# KiCad board AmigaPCI 68040.kicad_pcb (continued)
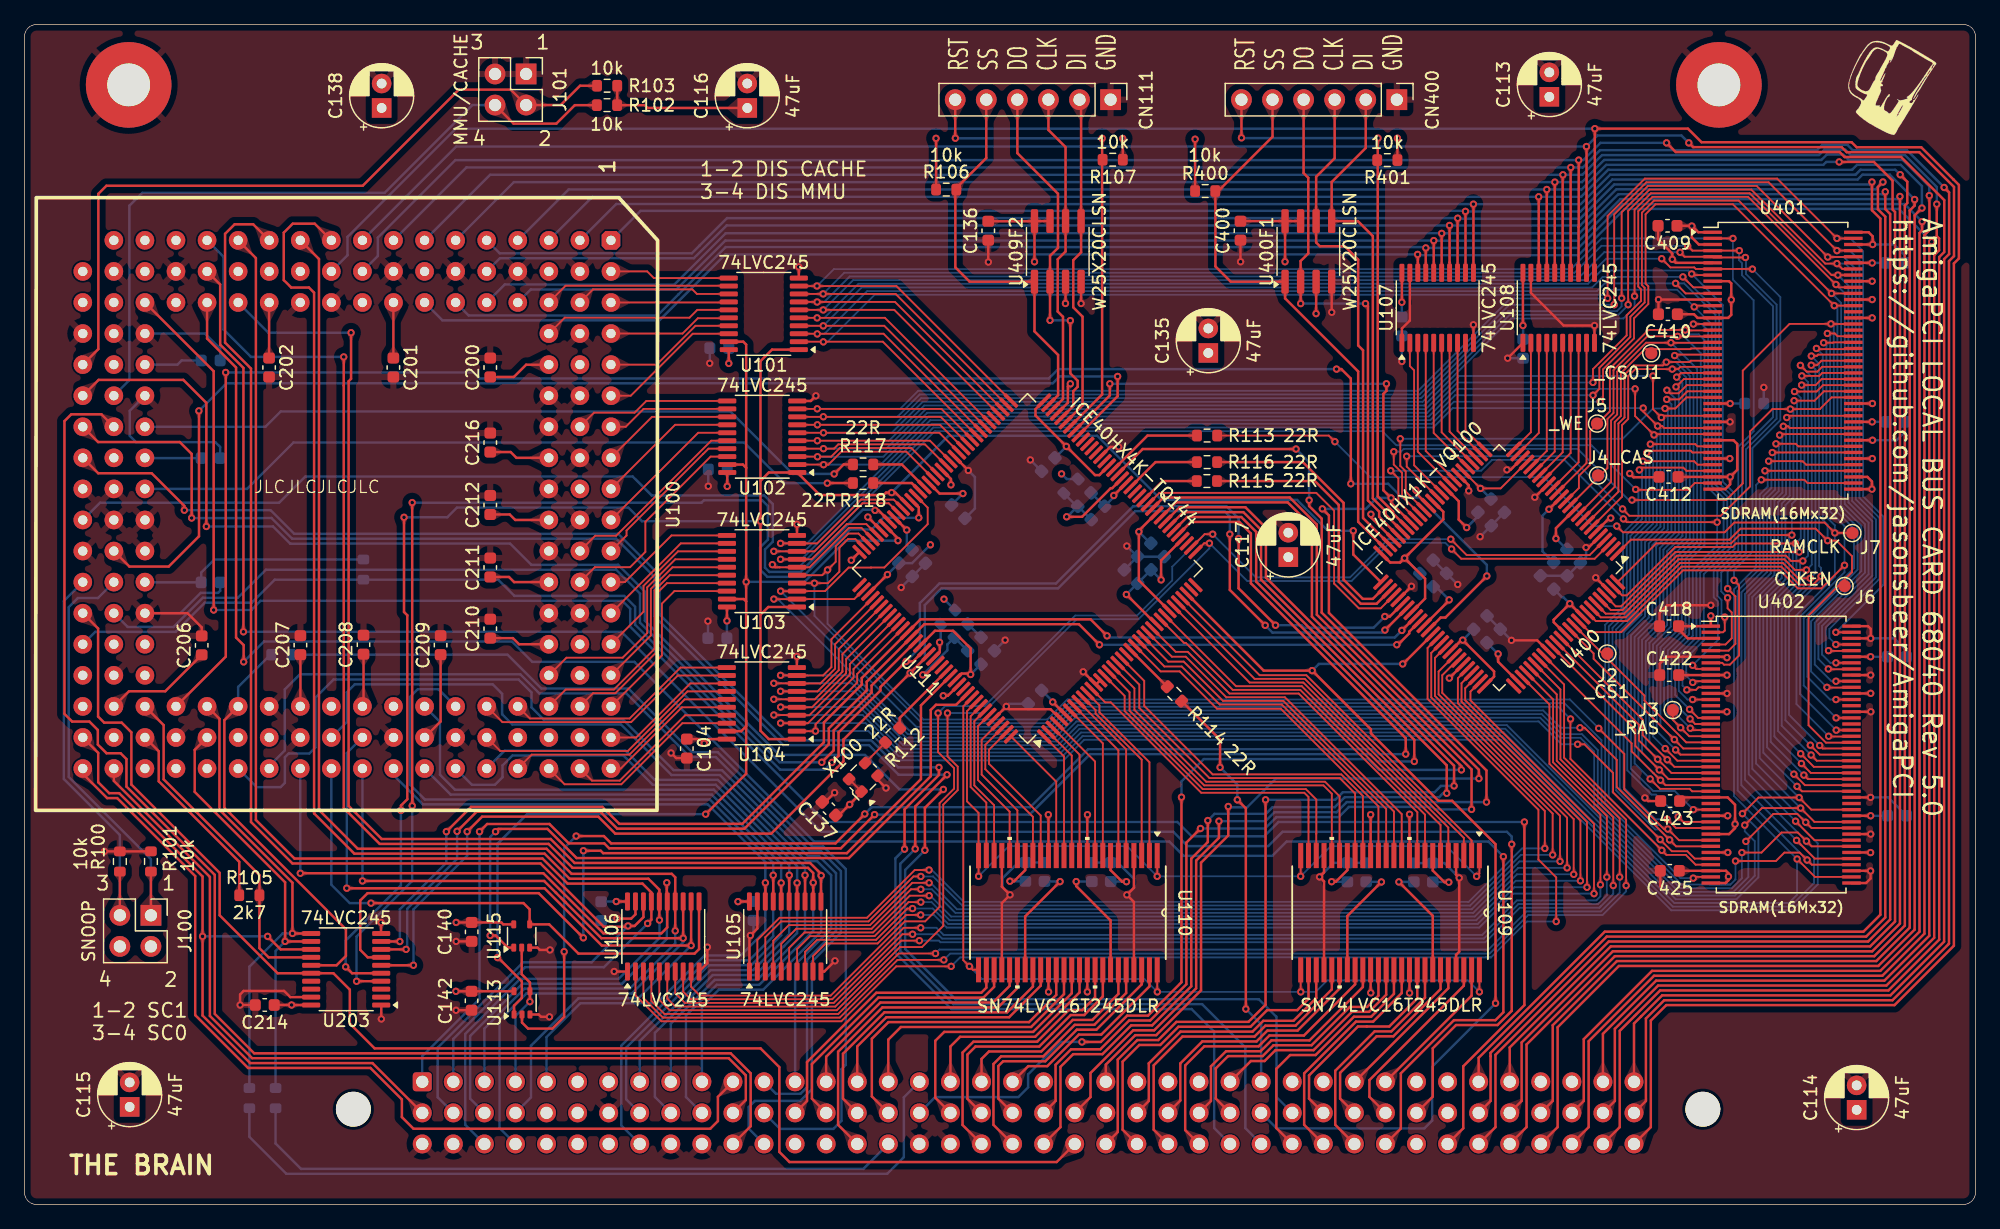
[diagram p0: board, top side]
## Routing (per net, layer and track width the routed paths; a pad name or vN(x,y) marks a point on that pad's centre or on a via; arc(x,y) is an arc through that point) (continued)
D31: length 19.4
  Top w0.15: U100.60 41.46,36.78 49.45,36.78 53.97,41.3 U104.15
DA0: length 12.1
  Top w0.2: CN100.a32 118.3,17.08 U109.47
DA1: length 18.7
  Top w0.2: U109.41 114.49,16.91 111.74,14.15 110.37,14.15 107.15,10.93 107.15,6.52 CN100.c31
DA2: length 12.3
  Top w0.2: U109.44 116.4,17.68 108.75,10.03
DA3: length 15.4
  Top w0.2: CN100.b32 109.95,8.8 109.95,10.17 117.67,17.89 U109.46
DA4: length 16.4
  Top w0.2: CN100.b31 107.55,8.66 107.55,10.77 110.54,13.75 111.9,13.75 115.76,17.61 U109.43
DA5: length 19
  Top w0.2: CN100.c30 104.61,6.52 104.61,10.72 108.85,14.95 110.25,14.95 112.59,17.29 U109.38
DA6: length 17.3
  Top w0.2: U109.40 113.86,16.84 111.57,14.55 109.01,14.55 105.01,10.55 105.01,8.66 CN100.b30
DA7: length 20.8
  Top w0.2: U109.37 111.95,17.22 110.09,15.35 108.68,15.35 105.55,12.22 103.47,12.22 102.34,11.09 102.34,6.25 CN100.c29
DA8: length 17.7
  Top w0.2: CN100.a27 100.26,11.73 101.38,11.73 102.27,12.62 105.38,12.62 108.52,15.75 109.92,15.75 111.32,17.15 U109.36
DA9: length 22
  Top w0.2: U109.35 110.68,17.08 109.76,16.15 108.35,16.15 105.22,13.02 102.1,13.02 101.22,12.13 98.39,12.13 97.39,11.13 97.39,8.66 CN100.b27
DA10: length 24.7
  Top w0.2: U109.32 108.78,18 104.6,13.82 101.77,13.82 100.89,12.93 96.45,12.93 94.89,11.37 94.89,6.08 CN100.c26
DA11: length 20.7
  Top w0.2: CN100.b26 96.99,8.47 96.99,11.3 98.23,12.53 101.05,12.53 101.94,13.42 105.05,13.42 109.41,17.78 U109.33
DA12: length 25.6
  Top w0.2: U109.29 106.87,17.59 103.91,14.62 101.44,14.62 100.56,13.73 94.67,13.73 92.31,11.38 92.31,6.12 CN100.c25
DA13: length 26.9
  Top w0.2: CN100.c24 89.77,6.12 89.77,11.68 91.14,13.05 92.85,13.05 94.34,14.53 100.22,14.53 101.58,15.89 104.05,15.89 104.97,16.81 U109.26
DA14: length 22.3
  Top w0.2: CN100.c20 79.21,6.52 79.21,11.49 79.84,12.11 83.29,12.11 85.86,14.69 87.46,14.69 90.06,17.29 U110.44
DA15: length 20
  Top w0.2: U110.46 91.33,17.99 87.63,14.29 86.03,14.29 83.45,11.71 80,11.71 79.61,11.32 79.61,8.66 CN100.b20
DA16: length 21.5
  Top w0.2: CN100.b25 94.49,8.5 94.49,11.53 96.29,13.33 100.72,13.33 101.61,14.22 104.07,14.22 107.51,17.66 U109.30
DA17: length 15.8
  Top w0.2: U110.47 91.97,17.83 88.02,13.89 86.2,13.89 83.62,11.31 82.06,11.31 CN100.a20
DA18: length 22.7
  Top w0.2: CN100.b24 91.91,8.47 91.91,11.54 94.5,14.13 100.39,14.13 101.28,15.02 103.74,15.02 105.6,16.88 U109.27
DA19: length 20.5
  Top w0.2: CN100.b19 77.09,8.64 77.09,12.26 77.74,12.91 82.95,12.91 85.53,15.49 86.63,15.49 88.16,17.01 U110.41
DA20: length 17.1
  Top w0.2: U110.38 86.25,17.34 82.62,13.71 76.49,13.71 75.7,12.92 CN100.a18
DA21: length 26.5
  Top w0.2: U110.30 81.17,17.7 79.59,16.11 70.14,16.11 66.51,12.49 66.51,6.52 CN100.c15
DA22: length 21.1
  Top w0.2: CN100.b18 74.46,8.73 74.46,13.38 75.19,14.11 82.46,14.11 85.62,17.27 U110.37
DA23: length 23.1
  Top w0.2: CN100.c19 76.69,6.5 76.69,12.42 77.58,13.31 82.79,13.31 85.37,15.89 86.47,15.89 87.52,16.94 U110.40
DA24: length 23.4
  Top w0.2: U110.27 79.27,17.79 78.38,16.91 69.8,16.91 64.37,11.48 64.37,8.66 CN100.b14
DA25: length 17.2
  Top w0.2: CN100.a19 78.24,11.9 78.85,12.51 83.12,12.51 85.7,15.09 87.3,15.09 89.43,17.22 U110.43
DA26: length 20.8
  Top w0.2: CN100.a14 65.54,12.08 69.97,16.51 79.18,16.51 80.54,17.87 U110.29
DA27: length 25.2
  Top w0.2: CN100.b16 69.27,8.84 69.27,13.55 70.63,14.91 82.13,14.91 84.35,17.13 U110.35
DA28: length 23.2
  Top w0.2: U110.26 78.63,17.73 78.22,17.31 69.64,17.31 63.97,11.65 63.97,8.47 CN100.b13
DA29: length 21.3
  Top w0.2: CN100.a16 70.62,13.48 71.65,14.51 82.29,14.51 84.98,17.2 U110.36
DA30: length 24.5
  Top w0.2: U110.32 82.44,17.82 80.33,15.71 70.3,15.71 66.91,12.32 66.91,8.66 CN100.b15
DA31: length 21.2
  Top w0.2: U110.33 83.08,17.89 80.5,15.31 70.47,15.31 68.08,12.92 CN100.a15
EMA0: length 53.1
  Top w0.15: v1(135.01,66.84) 135.65,67.48 U401.25 ; U402.25 134.64,35.28 v1(133.52,36.4) 131.99,37.93 131.99,39.22 U400.86
  Bottom w0.15: v1(133.52,36.4) 132.54,37.38 132.54,46.04 133.98,47.48 133.98,53.54 135.24,54.79 135.24,66.62 v1(135.01,66.84)
EMA1: length 55.3
  Top w0.15: U402.26 134.39,34.78 v1(133.65,35.53) 131.69,37.49 131.69,38.81 U400.85 ; U401.26 135.9,66.98 135.23,66.32 134.52,66.32 v1(134.27,66.57)
  Bottom w0.15: v1(134.27,66.57) 134.94,65.9 134.94,54.92 133.68,53.66 133.68,47.61 132.24,46.16 132.24,36.94 v1(133.65,35.53)
EMA2: length 55.6
  Top w0.15: U401.27 135.94,66.48 135.28,65.82 v1(134.25,65.82) ; U402.27 134.15,34.28 v1(133.74,34.69) 131.39,37.05 131.39,37.7 U400.83
  Bottom w0.15: v1(133.74,34.69) 131.94,36.5 131.94,46.29 133.38,47.73 133.38,53.79 134.64,55.04 134.64,65.43 v1(134.25,65.82)
EMA3: length 58.7
  Top w0.15: v1(144.48,54.73) 140.19,54.73 139.51,54.05 133.4,54.05 U400.100 ; v1(144.66,65.71) 146.34,65.71 147.11,66.48 U401.60 ; v1(144.65,35.18) 145.55,34.28 U402.60
  Bottom w0.15: v1(144.65,35.18) 142.45,37.38 142.45,49.17 144.26,50.98 144.26,54.5 v1(144.48,54.73) 144.48,57.27 144.91,57.7 144.91,65.47 v1(144.66,65.71)
EMA4: length 60.4
  Top w0.15: v1(144.79,54.04) 139.93,54.04 139.64,53.75 134.95,53.75 131,49.8 130.6,49.8 U400.99 ; U402.61 145.79,34.78 v1(145.46,35.11) ; U401.61 147.03,66.98 146.51,66.46 v1(144.7,66.46)
  Bottom w0.15: 142.75,48.35 142.75,49.05 ; 142.75,48.35 142.75,37.82 v1(145.46,35.11) ; 142.75,48.35 142.75,49.05 ; 142.75,49.05 144.56,50.85 144.56,53.81 v1(144.79,54.04) 145.21,54.46 145.21,65.95 v1(144.7,66.46)
EMA5: length 59.9
  Top w0.15: U401.62 146.92,67.48 146.43,66.99 v1(145.28,66.99) ; v1(145.26,36.06) 146.03,35.28 U402.62 ; U400.97 130.08,48.9 130.52,48.9 134.96,53.35 v1(145.08,53.35)
  Bottom w0.15: v1(145.28,66.99) 145.51,66.76 145.51,53.77 v1(145.08,53.35) 144.86,53.12 144.86,50.73 143.05,48.92 143.05,38.26 v1(145.26,36.06)
EMA6: length 60.7
  Top w0.15: v1(145.38,52.61) 144.43,52.61 144,53.05 135.09,53.05 130.65,48.6 129.67,48.6 U400.96 ; U401.63 146.97,67.98 146.73,67.74 v1(145.3,67.74) ; U402.63 146.28,35.78 v1(145.2,36.86)
  Bottom w0.15: v1(145.3,67.74) 145.81,67.23 145.81,53.04 v1(145.38,52.61) 145.16,52.39 145.16,50.6 143.35,48.8 143.35,38.71 v1(145.2,36.86)
EMA7: length 62.2
  Top w0.15: v1(145.18,68.6) 145.69,68.09 146.57,68.09 146.96,68.48 U401.64 ; U400.95 129.27,48.3 130.77,48.3 135.21,52.75 143.87,52.75 144.74,51.88 v1(145.68,51.88) ; U402.64 146.52,36.28 v1(146.05,36.75)
  Bottom w0.15: v1(145.18,68.6) 146.11,67.67 146.11,52.3 v1(145.68,51.88) 145.46,51.65 145.46,50.48 143.65,48.67 143.65,39.15 v1(146.05,36.75)
EMA8: length 60.9
  Top w0.15: U400.94 128.86,48 130.9,48 135.34,52.45 143.75,52.45 145,51.2 v1(145.99,51.2) ; U402.65 146.76,36.78 v1(145.99,37.55) ; v1(146.06,68.62) 146.54,68.62 146.91,68.98 U401.65
  Bottom w0.15: v1(146.06,68.62) 146.41,68.27 146.41,51.61 v1(145.99,51.2) 145.99,50.59 143.95,48.55 143.95,39.59 v1(145.99,37.55)
EMA9: length 62.6
  Top w0.15: v1(146.76,37.53) 147,37.28 U402.66 ; v1(146.87,51.36) 146.87,51.33 146.21,50.67 145.1,50.67 143.62,52.15 135.46,52.15 131.02,47.7 128.45,47.7 U400.93 ; v1(146.07,69.37) 146.08,69.38 146.52,69.38 146.63,69.48 U401.66
  Bottom w0.15: v1(146.76,37.53) 144.25,40.03 144.25,48.42 146.87,51.04 v1(146.87,51.36) 146.87,52.04 146.71,52.2 146.71,68.73 v1(146.07,69.37)
EMA10: length 53.6
  Top w0.15: v1(135.07,67.64) 135.41,67.98 U401.24 ; U402.24 134.88,35.78 v1(134.3,36.36) 132.29,38.37 132.29,39.63 U400.87
  Bottom w0.15: v1(135.07,67.64) 135.54,67.17 135.54,54.67 134.28,53.41 134.28,47.36 132.84,45.92 132.84,37.82 v1(134.3,36.36)
EMA11: length 52.6
  Top w0.15: U402.21 135.61,37.28 v1(134.88,38.01) 128.28,44.61 128.28,45.05 U400.89 ; v1(134.9,69.4) 134.98,69.48 U401.21
  Bottom w0.15: v1(134.9,69.4) 136.44,67.86 136.44,54.3 135.18,53.04 135.18,46.99 133.74,45.54 133.74,39.15 v1(134.88,38.01)
EMA12: length 64.8
  Top w0.15: v1(148.79,52.26) 146.9,50.37 144.97,50.37 143.5,51.85 135.59,51.85 130.53,46.79 127.95,46.79 U400.91 ; v1(148.11,38.78) U402.69 ; U401.69 148.22,70.98 147.99,71.21 v1(147.38,71.21)
  Bottom w0.15: v1(147.38,71.21) 147.61,70.99 147.61,56.65 148.79,55.47 v1(148.79,52.26) 148.79,51.69 145.15,48.05 145.15,41.74 v1(148.11,38.78)
EMCLKE: length 59.4
  Top w0.15: 149.45,69.93 146.55,69.93 v1(146.49,69.99) ; 149.33,37.76 147.27,37.76 145.85,39.18 145.85,48.14 149.4,51.69 149.4,53 148.13,54.27 v1(147.41,54.27) 146.43,55.25 140.29,55.25 139.39,54.35 131.33,54.35 130.23,53.25
  Bottom w0.15: v1(147.41,54.27) 147.41,55.58 147.01,55.98 147.01,69.47 v1(146.49,69.99)
LVA0: length 112.1
  Top w0.15: v1(96.87,54.06) 96.44,54.06 U111.37 ; U106.5 51.9,16.73 52.75,15.88 66.41,15.88 71.57,21.05 73.38,21.05 75.11,22.78 75.11,32.69 76.29,33.88 76.29,35.8 75.46,36.64 v1(75.46,40.18) ; U400.3 128.36,52.79 117.46,52.79 v1(116.66,53.59)
  Bottom w0.15: v1(75.46,40.18) 78.35,40.18 86.03,47.85 91.08,47.85 96.87,53.64 v1(96.87,54.06) 99.96,50.97 108.49,50.97 111.61,54.09 116.16,54.09 v1(116.66,53.59)
LVA1: length 109
  Top w0.15: v1(74.69,40.18) 74.69,36.98 75.99,35.68 75.99,34 74.81,32.81 74.81,24.33 73.63,23.15 71.97,23.15 65.91,17.08 55.22,17.08 54.5,17.8 U106.9 ; v1(116.6,54.39) 117.9,53.09 127.95,53.09 U400.4 ; v1(97.14,54.8) 96.48,54.8 U111.38
  Bottom w0.15: v1(74.69,40.18) 75.25,40.74 78.49,40.74 85.9,48.15 90.96,48.15 93.83,51.02 93.83,52.14 96.49,54.8 v1(97.14,54.8) 100.67,51.27 108.36,51.27 111.48,54.39 v1(116.6,54.39)
LVA2: length 101.4
  Top w0.15: U106.8 53.85,17.4 54.47,16.78 66.03,16.78 71.87,22.62 v1(73.27,22.62) ; v1(128.83,26.14) 128.83,31.86 124.66,36.03 124.66,40.89 U400.78
  Bottom w0.15: v1(73.27,22.62) 74.55,22.62 75.14,22.04 119.18,22.04 122,24.86 128.5,24.86 128.83,25.2 v1(128.83,26.14)
LVA3: length 103.1
  Top w0.15: v1(72.6,22.1) 71.77,22.1 66.16,16.48 53.99,16.48 53.2,17.27 U106.7 ; U400.79 124.96,41.29 124.96,36.15 129.36,31.76 v1(129.36,26.77)
  Bottom w0.15: v1(129.36,26.77) 129.36,25.3 128.62,24.56 122.12,24.56 119.3,21.74 75.01,21.74 74.65,22.1 v1(72.6,22.1)
LVA4: length 93.2
  Top w0.15: U400.65 115,45.09 115,41.46 124.29,32.17 v1(124.29,29.11) ; U105.2 59.91,21.63 61.73,23.44 68.87,23.44 72.78,27.35 v1(73.95,27.35)
  Bottom w0.15: v1(73.95,27.35) 74.18,27.35 76.78,24.74 118.06,24.74 122.43,29.11 v1(124.29,29.11)
LVA5: length 92.8
  Top w0.15: 61.21,19.05 61.21,21.57 62.49,22.84 69.12,22.84 72.58,26.3 v1(73.96,26.3) ; U400.68 115.6,43.57 115.6,41.71 125.53,31.78 v1(125.53,28.05)
  Bottom w0.15: v1(125.53,28.05) 122.22,28.05 118.31,24.14 76.23,24.14 74.07,26.3 v1(73.96,26.3)
LVA6: length 92.4
  Top w0.15: v1(126.11,27.52) 126.11,31.63 115.9,41.83 115.9,43.27 117.15,44.51 ; v1(73.28,25.77) 72.48,25.77 69.25,22.54 63.09,22.54 61.86,21.32 U105.5
  Bottom w0.15: v1(73.28,25.77) 74.18,25.77 76.11,23.84 118.43,23.84 122.11,27.52 v1(126.11,27.52)
LVA7: length 91
  Top w0.15: v1(126.65,26.99) 126.65,31.51 117.18,40.98 117.18,43.03 U400.71 ; 62.51,19.05 62.51,20.99 63.77,22.24 69.37,22.24 72.38,25.25 v1(73.96,25.25)
  Bottom w0.15: v1(126.65,26.99) 126.64,27 122.01,27 118.56,23.54 75.76,23.54 74.05,25.25 v1(73.96,25.25)
LVA8: length 90.8
  Top w0.15: v1(127.2,26.46) 127.2,31.38 117.48,41.1 117.48,42.62 U400.72 ; v1(73.28,24.72) 72.28,24.72 69.5,21.94 64.22,21.94 63.16,20.89 U105.7
  Bottom w0.15: v1(73.28,24.72) 74.15,24.72 75.63,23.24 118.68,23.24 121.91,26.47 127.19,26.47 v1(127.2,26.46)
LVA9: length 93.3
  Top w0.15: U400.66 115.3,44.69 115.3,41.58 124.93,31.96 v1(124.93,28.58) ; U105.3 60.56,21.85 61.85,23.14 69,23.14 72.68,26.82 v1(73.28,26.82)
  Bottom w0.15: v1(124.93,28.58) 122.33,28.58 118.18,24.44 76.66,24.44 74.28,26.82 v1(73.28,26.82)
LVA10: length 90.4
  Top w0.15: U105.8 63.81,20.66 64.8,21.64 69.62,21.64 72.17,24.2 v1(72.6,24.2) ; U400.73 117.78,42.21 117.78,41.23 127.73,31.27 v1(127.73,25.94)
  Bottom w0.15: v1(127.73,25.94) 127.73,25.94 121.8,25.94 118.8,22.94 75.51,22.94 74.25,24.2 v1(72.6,24.2)
LVA11: length 89.9
  Top w0.15: U105.9 64.46,20.3 65.5,21.34 69.74,21.34 72.07,23.67 v1(73.27,23.67) ; v1(128.31,25.41) 128.31,31.12 118.21,41.22 118.21,41.93 U400.74
  Bottom w0.15: v1(128.31,25.41) 121.7,25.41 118.93,22.64 75.39,22.64 74.35,23.67 v1(73.27,23.67)
LVA12: length 109.3
  Top w0.15: v1(75.16,20) 71.37,20 66.65,15.28 52.19,15.28 50.6,16.88 U106.3 ; U400.82 125.86,42.52 125.86,36.52 130.93,31.45 v1(130.93,26.07)
  Bottom w0.15: v1(75.16,20) 75.67,20.51 119.77,20.51 122.92,23.66 129,23.66 130.93,25.6 v1(130.93,26.07)
LVA13: length 109.7
  Top w0.15: v1(75.76,19.47) 71.27,19.47 66.78,14.98 52.07,14.98 49.95,17.1 U106.2 ; U400.64 114.7,45.5 114.7,41.33 123.76,32.27 123.76,28.2 125.22,26.74 v1(125.22,23.14)
  Bottom w0.15: 119.47,20.21 119.89,20.21 122.82,23.14 v1(125.22,23.14) ; 119.47,20.21 76.49,20.21 v1(75.76,19.47) ; 119.47,20.21 119.86,20.21 119.87,20.21
LVA14: length 105.1
  Top w0.15: v1(129.88,26.08) 129.88,31.66 125.26,36.28 125.26,41.7 U400.80 ; v1(73.16,21.57) 71.67,21.57 66.28,16.18 53.21,16.18 52.55,16.84 U106.6
  Bottom w0.15: 128.75,24.26 122.25,24.26 119.43,21.44 74.89,21.44 74.76,21.57 v1(73.16,21.57) ; 128.75,24.26 128.86,24.37 ; 128.75,24.26 128.86,24.37 ; 128.86,24.37 129.88,25.4 v1(129.88,26.08)
LVA15: length 107.6
  Top w0.15: v1(74.48,20.52) 71.47,20.52 66.53,15.58 52.32,15.58 51.25,16.65 U106.4 ; U400.81 125.56,42.11 125.56,36.4 130.41,31.56 v1(130.41,26.77)
  Bottom w0.15: v1(130.41,26.77) 130.41,25.5 128.87,23.96 122.8,23.96 119.67,20.84 74.8,20.84 v1(74.48,20.52)
LVA16: length 13.2
  Top w0.15: U108.9 127.7,60.62 U400.15
LVA17: length 12.8
  Top w0.15: U108.8 127.05,60.67 U400.16
LVA18: length 11.6
  Top w0.15: U108.6 125.75,61.5 U400.19
LVA19: length 12.1
  Top w0.15: U400.18 126.4,61.44 U108.7
LVA20: length 11.1
  Top w0.15: U108.5 125.1,61.55 U400.20
LVA21: length 10.7
  Top w0.15: U400.21 124.45,61.61 U108.4
LVA22: length 10.3
  Top w0.15: U400.28 116.5,63.19 U107.7
LVA23: length 13.3
  Top w0.15: U400.36 113.6,60.43 113.6,68.19 113.25,68.54 U107.2
LVA24: length 9.8
  Top w0.15: U400.24 123.8,63.08 U108.3
LVA25: length 12.6
  Top w0.15: U107.3 113.9,61.55 U400.34
LVA26: length 10.8
  Top w0.15: U107.6 115.85,63.13 U400.29
LVA27: length 9.3
  Top w0.15: U400.25 123.15,63.14 U108.2
LVA28: length 11.3
  Top w0.15: U400.30 115.2,63.07 U107.5
LVA29: length 9.4
  Top w0.15: U107.9 117.8,63.3 U400.26
LVA30: length 12.2
  Top w0.15: U400.33 114.55,61.6 114.55,70.44
LVA31: length 9.8
  Top w0.15: U107.8 117.15,63.25 U400.27
LVDA0: length 134.3
  Top w0.15: v1(139.23,49.6) 139.23,48.74 139.57,48.4 139.57,46.29 139.06,45.78 U402.4 ; v1(140.19,77.98) U401.4 136.35,77.98 v1(135.96,78.37) ; U111.74 71.22,74.44 65.29,74.44 v1(65.29,74.44) 65.28,74.44 U101.8
  Bottom w0.15: v1(65.29,74.44) 67.02,76.17 126.71,76.17 128.91,78.37 v1(135.96,78.37) ; v1(140.19,77.98) 140.16,77.96 140.16,77.21 140.4,76.97 140.4,75.98 142.94,73.44 142.94,64.37 140.4,61.83 140.4,53.36 138.71,51.66 138.71,50.12 v1(139.23,49.6)
LVDA1: length 134.7
  Top w0.15: U111.75 71.16,73.79 64.8,73.79 v1(64.8,73.78) 64.79,73.79 U101.7 ; v1(135.34,77.85) 135.7,77.48 U401.5 ; v1(139.23,50.35) 139.87,49.72 139.87,45.83 139.32,45.28 U402.5 ; 138.07,77.42 v1(140.69,77.42)
  Bottom w0.15: v1(135.34,77.85) 129.14,77.85 127.17,75.87 67.46,75.87 65.37,73.78 v1(64.8,73.78) ; v1(139.23,50.35) 139.23,51.76 140.73,53.26 140.73,61.74 143.24,64.25 143.24,73.57 140.73,76.07 140.73,77.38 v1(140.69,77.42)
LVDA2: length 130.8
  Top w0.15: U101.5 70.34,72.49 U111.78 ; U401.8 136.39,75.98 v1(136.29,76.08) ; U402.8 136.67,43.78 v1(136.37,44.08)
  Bottom w0.15: v1(64.8,72.48) 65.39,72.48 68.18,75.27 127.82,75.27 128.9,76.36 136.01,76.36 v1(136.29,76.08) 138.84,73.53 138.84,59.09 139.8,58.13 139.8,53.61 138.09,51.9 138.09,49.64 138.43,49.3 138.43,46.15 v1(136.37,44.08)
LVDA3: length 134.8
  Top w0.15: U101.9 64.78,75.09 v1(64.79,75.09) 64.79,75.09 71.28,75.09 U111.73 ; U401.2 v1(139.67,78.98) ; U402.2 138.86,46.78 139,46.92 v1(139,48.02)
  Bottom w0.15: v1(139,48.02) 138.73,48.29 138.73,49.43 138.39,49.77 138.39,51.77 140.1,53.48 140.1,61.96 141.36,63.21 141.36,73.92 139.66,75.61 139.66,78.98 v1(139.67,78.98) 128.94,78.98 126.43,76.47 66.17,76.47 v1(64.79,75.09)
LVDA4: length 134.8
  Top w0.15: v1(141.26,76.47) 141.25,76.48 U401.7 136.63,76.48 136.5,76.61 134.56,76.61 133.84,77.32 v1(133.84,77.32) ; U111.76 71.11,73.14 65.3,73.14 v1(65.3,73.13) 65.29,73.14 63.3,73.14 ; U402.7 138.79,44.28 138.94,44.13 139.42,44.13 140.17,44.88 140.17,50.62 v1(139.76,51.03)
  Bottom w0.15: v1(141.26,76.47) 143.54,74.19 143.54,64.12 141.26,61.84 141.26,53.37 139.76,51.86 v1(139.76,51.03) ; v1(133.84,77.32) 129.3,77.32 127.55,75.57 67.74,75.57 v1(65.3,73.13)
LVDA5: length 131.4
  Top w0.15: U101.4 70.28,71.84 U111.79 ; U402.10 136.48,42.78 v1(136.38,42.68) ; v1(135.57,75.83) 136.42,74.98 U401.10
  Bottom w0.15: v1(65.3,71.83) 68.44,74.97 128.16,74.97 129.02,75.83 v1(135.57,75.83) 138.54,72.87 138.54,58.97 139.5,58 139.5,53.73 137.91,52.13 137.89,52.13 137.28,51.52 137.28,46.12 135.84,44.68 135.84,43.22 v1(136.38,42.68)
LVDA6: length 132.5
  Top w0.15: U401.11 135.8,74.48 v1(134.98,75.31) ; U101.3 70.23,71.19 U111.80 ; U402.11 136.85,42.28 136.64,42.07 v1(135.9,42.07)
  Bottom w0.15: v1(135.9,42.07) 135.54,42.43 135.54,44.8 136.98,46.24 136.98,51.65 139.2,53.87 139.2,57.88 138.24,58.84 138.24,72.74 135.67,75.31 v1(134.98,75.31) 129.18,75.31 128.55,74.67 68.88,74.67 65.38,71.17 v1(64.81,71.17)
LVDA7: length 129.6
  Top w0.15: v1(136.5,73.38) 136.6,73.48 U401.13 ; U111.81 70.17,70.54 63.3,70.54 ; v1(136.37,41.28) U402.13
  Bottom w0.15: v1(65.31,70.52) 65.65,70.52 69.5,74.37 128.97,74.37 129.38,74.78 135.1,74.78 v1(136.5,73.38) 137.94,71.94 137.94,58.72 138.9,57.75 138.9,53.99 136.68,51.77 136.68,46.37 135.24,44.93 135.24,41.99 135.95,41.28 v1(136.37,41.28)
LVDA8: length 151.1
  Top w0.15: v1(148.08,46.78) U402.85 ; v1(129.42,74.08) 129.42,80.82 132.47,83.87 143.28,83.87 v1(148.17,78.98) U401.85 ; U102.9 74.96,65.04 U111.82
  Bottom w0.15: v1(129.42,74.08) 129.41,74.07 121.48,74.07 113.93,66.52 73.06,66.52 71.59,65.05 v1(64.81,65.05) ; v1(148.08,46.78) 151.96,50.66 151.96,56.24 150.31,57.89 150.31,77.93 149.26,78.98 v1(148.17,78.98)
LVDA9: length 151.1
  Top w0.15: U401.83 v1(148.17,77.98) 142.58,83.57 132.59,83.57 129.96,80.94 v1(129.96,73.56) ; U102.8 74.9,64.39 U111.83 ; v1(148.08,45.78) U402.83
  Bottom w0.15: v1(148.08,45.78) 147.55,46.31 147.55,47.06 151.66,51.16 151.66,56.12 150.01,57.77 150.01,77.19 149.22,77.98 v1(148.17,77.98) ; v1(129.96,73.56) 129.95,73.56 121.39,73.56 114.05,66.22 73.18,66.22 71.36,64.4 v1(65.31,64.4)
LVDA10: length 152.3
  Top w0.15: U102.7 74.84,63.74 U111.84 ; v1(130.57,74.09) 130.57,81.12 132.72,83.27 141.6,83.27 v1(147.42,77.46) 149.48,77.46 ; 149.33,45.26 147.5,45.26 v1(147.48,45.28)
  Bottom w0.15: v1(130.57,74.09) 130.57,73.43 130.18,73.04 121.29,73.04 114.18,65.92 73.31,65.92 71.13,63.74 v1(64.82,63.74) ; v1(147.48,45.28) 147.25,45.51 147.25,47.18 151.36,51.29 151.36,55.99 149.71,57.64 149.71,76.48 148.73,77.46 v1(147.42,77.46)
LVDA11: length 151.5
  Top w0.15: U111.85 74.79,63.09 U102.6 ; v1(148.09,44.28) U402.80 ; v1(131.1,73.56) 131.1,81.23 132.84,82.97 141.16,82.97 147.21,76.92 v1(148.17,76.92) 148.61,76.48 U401.80
  Bottom w0.15: v1(131.1,73.56) 131.1,73.53 130.3,72.74 121.41,72.74 114.3,65.62 73.43,65.62 70.9,63.09 v1(65.32,63.09) ; v1(148.17,76.92) 148.84,76.92 149.41,76.36 149.41,57.52 151.06,55.87 151.06,51.41 146.95,47.31 146.95,44.96 147.63,44.28 v1(148.09,44.28)
LVDA12: length 150.9
  Top w0.15: U102.5 74.02,62.44 U111.87 ; v1(131.62,74.26) 131.62,81.33 132.97,82.67 141.04,82.67 147.73,75.98 v1(148.25,75.98) U401.79 ; 149.33,43.76 147.49,43.76 v1(147.46,43.78)
  Bottom w0.15: v1(148.25,75.98) 149.11,75.12 149.11,57.4 150.76,55.75 150.76,51.54 146.65,47.43 146.65,44.59 v1(147.46,43.78) ; v1(131.62,74.26) 131.62,73.34 130.71,72.44 121.54,72.44 114.43,65.32 73.56,65.32 70.68,62.44 v1(64.82,62.44)
LVDA13: length 152.7
  Top w0.15: U401.77 148.32,74.98 v1(148.09,75.21) 148.07,75.21 140.91,82.37 133.09,82.37 131.92,81.21 131.92,75.04 132.15,74.82 132.15,73.87 130.98,72.7 130.98,71.05 128.22,68.3 v1(128.22,67.21) ; U102.3 65.95,61.14 66.65,61.84 72.5,61.84 U111.90 ; U402.77 v1(148.09,42.78)
  Bottom w0.15: v1(148.09,42.78) 147.72,42.78 146.35,44.15 146.35,47.55 150.46,51.66 150.46,55.62 148.81,57.27 148.81,74.49 v1(148.09,75.21) ; v1(128.22,67.21) 117.16,67.21 114.67,64.72 73.8,64.72 70.21,61.13 v1(64.83,61.13)
LVDA14: length 158.3
  Top w0.15: v1(128.22,66.16) 128.75,66.68 128.75,68.4 131.28,70.93 131.28,72.58 132.45,73.75 132.45,74.94 132.22,75.17 132.22,81.08 133.21,82.07 140.14,82.07 v1(147.73,74.48) U401.76 ; v1(147.35,42.28) 147.37,42.26 149.33,42.26 ; v1(61.81,54.05) 61.81,54.05 U103.9 64.8,54.05 68.38,57.63 71.06,57.63 U111.98
  Bottom w0.15: v1(61.81,54.05) 63.98,54.05 74.05,64.12 114.92,64.12 116.96,66.16 v1(128.22,66.16) ; v1(147.35,42.28) 146.05,43.58 146.05,47.68 150.16,51.78 150.16,55.5 148.51,57.15 148.51,73.7 v1(147.73,74.48)
LVDA15: length 159.8
  Top w0.15: U401.74 v1(147.95,73.48) 139.66,81.77 133.34,81.77 132.52,80.96 132.52,75.29 132.75,75.07 132.75,73.62 131.58,72.45 131.58,70.8 129.05,68.27 129.05,65.87 v1(128.81,65.63) ; v1(61.26,53.4) 61.26,53.4 U103.8 64.57,53.4 68.5,57.33 70.65,57.33 U111.99 ; v1(148.09,41.28) U402.74
  Bottom w0.15: v1(148.09,41.28) 147.61,41.28 145.75,43.14 145.75,47.8 149.86,51.91 149.86,55.37 148.21,57.02 148.21,73.22 v1(147.95,73.48) ; v1(128.81,65.63) 116.86,65.63 115.05,63.82 74.18,63.82 63.76,53.4 v1(61.26,53.4)
LVDA16: length 129.1
  Top w0.15: U111.88 73.62,62.14 66.53,62.14 66.18,61.79 U102.4 ; v1(133.13,67.73) 133.13,65.02 v1(133.81,64.34) 133.96,64.48 U401.31 ; U402.31 v1(136.43,32.28)
  Bottom w0.15: v1(136.43,32.28) 134.9,33.81 133.14,33.81 131.33,35.62 131.33,46.53 132.78,47.98 132.78,54.04 134.04,55.29 134.04,64.11 v1(133.81,64.34) ; v1(133.13,67.73) 117.26,67.73 114.55,65.02 73.68,65.02 70.45,61.79 v1(65.32,61.79)
LVDA17: length 129.5
  Top w0.15: v1(135.19,31.69) 135.6,31.28 U402.33 ; v1(132.33,65.11) 132.33,64.83 v1(133.51,63.64) 133.89,63.64 134.05,63.48 U401.33 ; 63.15,52.75 64.35,52.75 67.22,55.62 68.82,55.62 U111.104 ; 63.15,52.74 61.81,52.74
  Bottom w0.15: v1(135.19,31.69) 133.37,33.51 133.01,33.51 131.03,35.5 131.03,46.65 132.48,48.11 132.48,54.16 133.74,55.42 133.74,63.42 v1(133.51,63.64) ; v1(61.81,52.75) 63.53,52.75 74.3,63.52 115.17,63.52 116.76,65.11 132.32,65.11 v1(132.33,65.11)
LVDA18: length 129.8
  Top w0.15: U401.34 133.28,62.98 v1(133.21,62.92) 131.67,64.46 v1(131.67,66.68) ; U111.91 72.09,61.54 66.78,61.54 65.72,60.48 v1(65.33,60.48) 65.32,60.49 U102.2 ; U402.34 135,30.78 v1(134.28,31.5)
  Bottom w0.15: v1(131.67,66.68) 117.06,66.68 114.8,64.42 83.36,64.42 83.68,64.42 73.93,64.42 69.99,60.48 v1(65.33,60.48) ; v1(133.21,62.92) 133.44,62.69 133.44,55.54 132.18,54.28 132.18,48.23 130.73,46.78 130.73,34.1 133.33,31.5 v1(134.28,31.5)
LVDA19: length 135.2
  Top w0.15: U401.36 136.77,61.98 136.59,62.16 v1(132.91,62.16) ; U402.36 135.26,29.78 v1(134.34,30.7) 134.02,30.7 130.78,33.94 130.78,36.84 v1(128.69,38.93) ; U103.5 65.22,51.45 v1(65.65,51.88) 66.32,52.55 66.32,53.82 67.35,54.85 68.18,54.85 U111.106
  Bottom w0.15: v1(65.65,51.88) 65.65,47.48 73.47,39.65 83.62,39.65 85.26,41.29 126.33,41.29 v1(128.69,38.93) ; v1(134.34,30.7) 134.02,30.7 133.71,31.01 133.4,31.01 130.42,33.99 130.42,46.89 131.88,48.35 131.88,54.41 133.14,55.66 133.14,61.94 v1(132.91,62.16)
LVDA20: length 135.7
  Top w0.15: U401.37 136.35,61.48 136.21,61.62 132.78,61.62 v1(132.61,61.45) ; 63.16,49.49 61.27,49.49 ; U103.2 67.84,49.5 U111.110 ; U402.37 135.01,29.28 v1(134.49,29.81) 130.17,34.13 130.17,36.35 127.54,38.98 v1(127.16,38.98)
  Bottom w0.15: v1(134.49,29.81) 133.64,30.66 133.32,30.66 130.12,33.86 130.12,47.01 131.58,48.48 131.58,54.53 132.84,55.79 132.84,61.23 v1(132.61,61.45) ; v1(61.26,49.5) 61.59,49.5 72.33,38.75 83.99,38.75 85.63,40.39 124.16,40.39 125.57,38.98 v1(127.16,38.98)
LVDA21: length 135.7
  Top w0.15: v1(126.97,37.63) 127.52,37.63 129.87,35.28 129.87,33.69 v1(133.71,29.84) 134.67,28.88 135.94,28.88 136.54,28.28 U402.39 ; U111.114 66.57,45.4 66.57,43.68 64.83,41.95 U104.7 ; 63.15,41.95 61.81,41.95 ; v1(132.31,60.77) 136.49,60.77 136.78,60.48 U401.39
  Bottom w0.15: v1(61.81,41.96) 67.85,41.96 71.96,37.85 84.36,37.85 86,39.49 123.79,39.49 125.65,37.63 v1(126.97,37.63) ; v1(133.71,29.84) 129.82,33.74 129.82,47.14 131.28,48.6 131.28,54.66 132.54,55.91 132.54,60.54 v1(132.31,60.77)
LVDA22: length 145.9
  Top w0.15: v1(126.39,39.69) 126.38,39.68 126.38,36.43 v1(133.85,28.96) 134.23,28.58 135.81,28.58 136.61,27.78 U402.40 ; U111.95 73.84,56.97 73.84,55.62 70.29,52.08 69.2,52.08 69.2,52.07 67.38,52.07 65.45,50.15 U103.3 ; 63.16,50.14 61.82,50.14 ; v1(132.01,60.06) 132.2,60.24 135.61,60.24 135.87,59.98 U401.40
  Bottom w0.15: v1(126.39,39.69) 125.39,40.69 85.51,40.69 83.87,39.05 72.91,39.05 v1(61.81,50.15) ; v1(133.85,28.96) 129.52,33.29 129.52,47.26 130.98,48.73 130.98,54.78 132.24,56.04 132.24,59.83 v1(132.01,60.06)
LVDA23: length 132.3
  Top w0.15: U401.42 136.55,58.98 135.99,58.42 131.75,58.42 v1(131.71,58.46) ; U111.105 68.42,55.32 67.4,55.32 64.17,52.1 U103.6 ; 61.74,52.09 61.36,52.09 v1(61.14,52.31) ; 61.74,52.09 61.26,52.09 ; 61.74,52.09 63.15,52.09 ; v1(136.42,26.68) 136.52,26.78 U402.42
  Bottom w0.15: v1(61.14,52.31) 61.35,52.1 63.3,52.1 74.43,63.22 111,63.22 112.15,62.07 128.1,62.07 v1(131.71,58.46) 131.94,58.24 131.94,56.16 130.68,54.91 130.68,48.85 129.22,47.39 129.22,32.85 135.39,26.68 v1(136.42,26.68)
